# Altium PCB DD2088PoE_Daisy_Chain.PcbDoc (part 5 of 6) (continued)
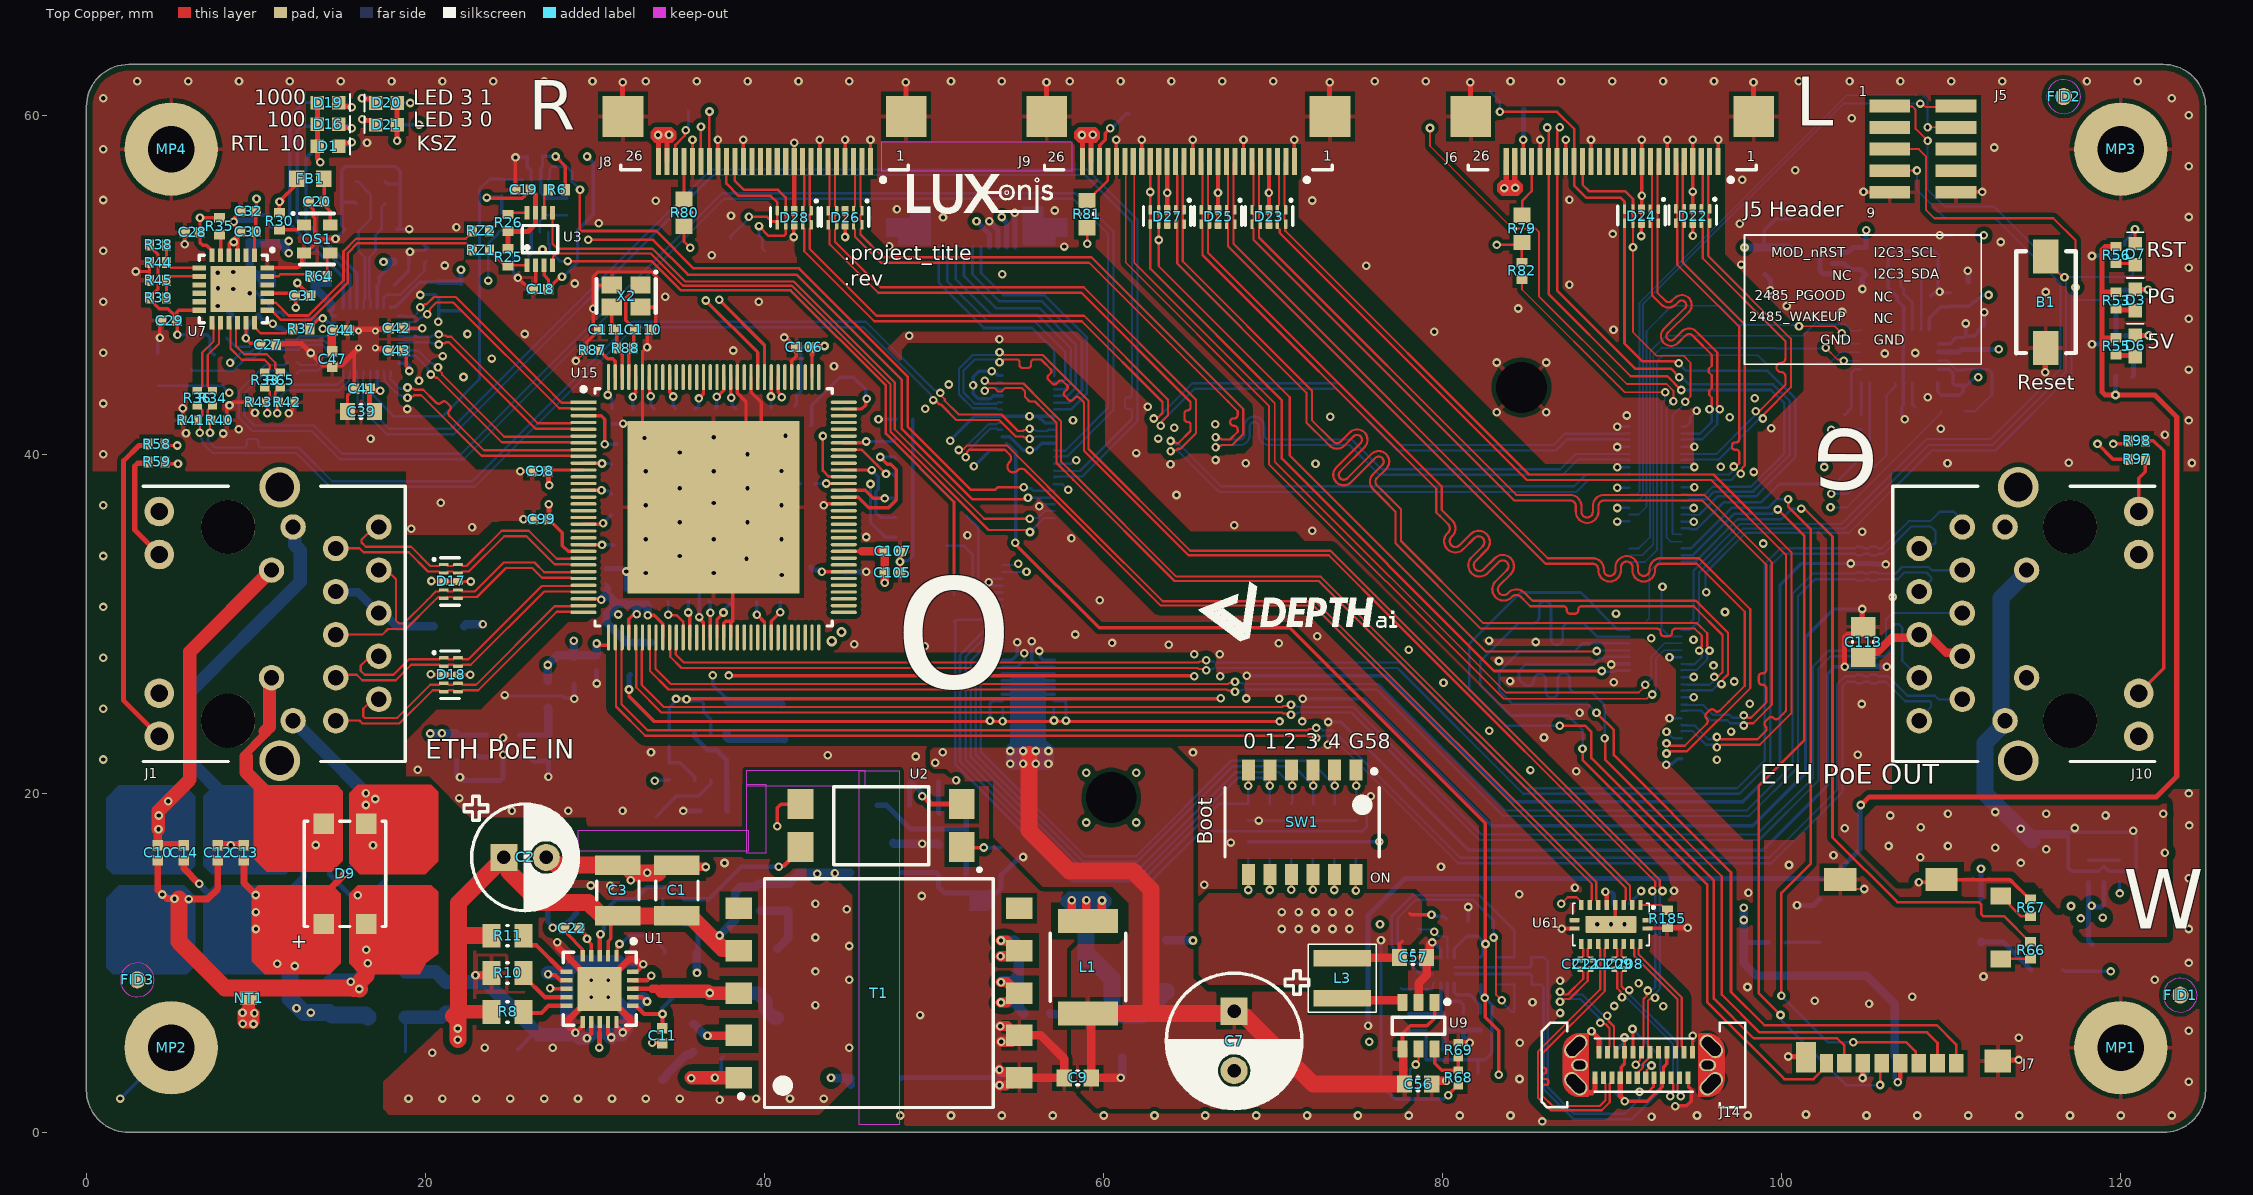
[diagram p0: Top Copper view]
## Nets (pads, with @x,y where several pads share a name; then routed paths per layer and width w, separated by ;. In a path a pad name is that pad's centre, name@x,y a point inside that pad or via, vN(x,y) a via of type N, cw(c..) or ccw(c..) an arc to the next point about the centre after c; other vN are vias at no path point) (continued)
SDS_TXD_P: J3.69 U4.13 | length 73.9
  Bottom Copper w0.13: U4.13@16.35,44.9 16.35,44.631 16.312,44.593 16.312,43.064 17.864,41.513 21.533,41.513 36.82,56.8 59.035,56.8 62,53.834 62,41.952 58.736,38.688 57.438,38.688 57.425,38.675 57.115,38.675 J3.69@57.09,38.65
SP1: C15.1 C16.1 D9.2 J1.13 | length 13.8
  Top Copper w0.5: 9.325,22.25 9.325,22.268 10.463,23.406 10.463,23.585 10.527,23.648
  Top Copper w0.762: 10.527,23.648 10.804,23.926 J1.13@10.804,26.71
  Top Copper w0.8: 9.418,22.157 9.418,21.24 11.406,19.253 13.331,19.253 13.8,18.784 13.8,18.4 D9.2@14,18.2
  Bottom Copper w0.3: C15.1@12.81,16.951 C16.1@14.35,16.951
  Bottom Copper w0.762: J1.13@10.804,26.71 J1.13@10.919,26.825
  other v1: 13.534,16.958
SP2: C17.1 C54.1 D9.3 J1.14 | length 11.1
  Bottom Copper w0.3: v1(16.487,19.314) 16.11,18.937 C54.1@16.11,16.963 C17.1@17.65,16.963
  Bottom Copper w0.762: J1.14@12.212,24.285 13.576,22.921 13.576,22.924 16.837,19.663 v1(16.487,19.314)
  other v1: 16.905,16.944 17.037,19.673 16.487,20.013
STROBE1: J6.24 TP23.1 | length 3.1
  Top Copper w0.2: J6.24@84.75,57.275 v1(84.75,58.55)
  Bottom Copper w0.3: v1(84.75,58.55) 84.766,58.566 84.766,60.334 TP23.1@84.782,60.35
STROBE2: J8.24 TP24.1 | length 3.4
  Top Copper w0.152: J8.24@34.75,57.275 34.738,57.287 34.738,58.247 35.293,58.802 35.293,59.056 v1(35.354,59.118)
  Bottom Copper w0.152: v1@35.286,59.186 v1(35.354,59.118) ; v1@35.324,59.087 v1(35.354,59.118) ; TP24.1@35.5,60.25 35.5,59.264 v1(35.354,59.118)
STROBE3: J9.24 TP31.1 | length 3.7
  Top Copper w0.2: J9.24@59.75,57.275 59.777,57.302 59.777,58.222 60.101,58.545 60.101,58.939 v1(60.396,59.234)
  Bottom Copper w0.2: v1(60.396,59.234) 60.48,59.234 61.323,60.078 TP31.1@61.473,60.078
SWO: D4.2 T1.3 U1.18 | length 10.9
  Top Copper w0.25: U1.18@32.223,8.475 33.301,8.475 33.347,8.429
  Top Copper w0.5: 33.39,8.473 33.672,8.473
  Top Copper w0.8: 33.934,8.341 36.659,8.341 v1(36.775,8.225) T1.3@38.473,8.225
  Bottom Copper w0.8: v1(36.775,8.225) 39.602,8.225 40.071,7.756 40.071,7.257 40.56,6.768 D4.2@40.75,6.768
SYS_RST: J3.89 J4.6 | length 15
  Bottom Copper w0.152: J4.6@52.767,52.231 52.767,50.702 54.084,49.384 56.523,49.384 59.016,46.89 59.016,43.599 58.068,42.65 J3.89@57.09,42.65
TCK: J3.97 J4.2 | length 13.1
  Bottom Copper w0.15: J4.2@50.766,52.231 50.766,50.223 53.14,47.85 55.929,47.85 57.738,46.041 57.738,44.406 57.582,44.25 J3.97@57.09,44.25
TDI: J3.95 J4.3 | length 13.6
  Bottom Copper w0.152: J4.3@51.267,52.231 51.267,50.348 53.39,48.225 56.094,48.225 58.071,46.248 58.071,44.197 57.724,43.85 J3.95@57.09,43.85
TDO: J3.91 J4.5 | length 14.5
  Bottom Copper w0.152: J4.5@52.267,52.231 52.267,50.608 53.837,49.038 56.337,49.038 58.725,46.65 58.725,43.781 57.994,43.05 J3.91@57.09,43.05
TMS: J3.99 J4.1 | length 12.1
  Bottom Copper w0.152: J4.1@50.267,52.231 50.267,50.125 52.941,47.45 55.769,47.45 57.09,46.129 J3.99@57.09,44.65
TRST: J3.93 J4.4 | length 14
  Bottom Copper w0.152: J4.4@51.767,52.231 51.767,50.508 53.65,48.625 56.207,48.625 58.346,46.486 58.346,43.921 57.875,43.45 J3.93@57.09,43.45
TXB1_N: C209.2 U61.16 | length 1
  Top Copper w0.13: C209.2@90.125,10.205 90.125,10.225 90.295,10.395 90.295,10.83 90.175,10.95 U61.16@90.175,11.125
TXB1_P: C208.2 U61.17 | length 1
  Top Copper w0.13: U61.17@90.675,11.125 90.675,10.95 90.555,10.83 90.555,10.395 90.725,10.225 C208.2@90.725,10.205
TXB_N: C209.1 J14.A3 | length 10.4
  Top Copper w0.13: C209.1@90.125,9.645 90.125,9.625 90.295,9.455 90.295,8.499 90.51,8.285 90.51,8.046 v1(90.578,7.978) ; v1(93.415,2.141) 93.415,2.16 93.592,2.337 93.592,2.387 93.595,2.39 93.595,2.699 93.595,2.875 93.475,2.995 J14.A3@93.475,3.22
  Bottom Copper w0.13: v1(90.578,7.978) 90.646,7.91 90.885,7.91 93.593,5.201 93.593,2.39 93.415,2.212 v1(93.415,2.141)
TXB_P: C208.1 J14.A2 | length 10.4
  Top Copper w0.13: C208.1@90.725,9.645 90.725,9.625 90.555,9.455 90.555,8.607 90.693,8.468 90.932,8.468 v1(91,8.4) ; J14.A2@93.975,3.22 93.975,2.995 93.855,2.875 93.855,2.713 93.852,2.71 93.852,2.593 93.852,2.339 94.034,2.158 v1(94.034,2.145)
  Bottom Copper w0.13: v1(91,8.4) 91.068,8.332 91.068,8.093 93.853,5.308 93.853,2.39 94.034,2.21 v1(94.034,2.145)
TXC1_N: C212.2 U61.12 | length 1
  Top Copper w0.13: C212.2@88.125,10.205 88.125,10.225 C212.2@88.22,10.32 ; U61.12@88.175,11.125 88.175,10.95 88.295,10.83 88.295,10.732 88.297,10.731 88.297,10.396 C212.2@88.22,10.32
TXC1_P: C211.2 U61.13 | length 1
  Top Copper w0.13: U61.13@88.675,11.125 88.675,10.95 88.555,10.83 88.555,10.732 88.554,10.731 88.554,10.396 88.63,10.32 88.725,10.225 C211.2@88.725,10.205
TXC_N: C212.1 J14.B3 | length 8.2
  Top Copper w0.13: v1(86.918,8.303) 87.015,8.303 87.183,8.135 87.367,8.135 88.295,9.063 88.295,9.455 88.125,9.625 C212.1@88.125,9.645 ; v1(89.715,6.885) 89.784,6.816 89.784,6.578 90.105,6.257 90.105,5.075 90.225,4.955 J14.B3@90.225,4.73
  Bottom Copper w0.13: v1(86.918,8.303) 86.932,8.303 87.1,8.135 88.227,8.135 89.409,6.953 89.647,6.953 v1(89.715,6.885)
TXC_P: C211.1 J14.B2 | length 8.2
  Top Copper w0.13: v1(86.918,7.707) 87.015,7.707 87.183,7.875 87.475,7.875 88.555,8.955 88.555,9.455 88.725,9.625 C211.1@88.725,9.645 ; v1(89.293,6.463) 89.362,6.394 89.6,6.394 89.845,6.149 89.845,5.075 89.725,4.955 J14.B2@89.725,4.73
  Bottom Copper w0.13: v1(86.918,7.707) 86.932,7.707 87.1,7.875 88.119,7.875 89.225,6.769 89.225,6.531 v1(89.293,6.463)
TXRX1A_N: U4.2 U15.2 | length 14.1
  Top Copper w0.13: v1(20.113,48.262) 20.113,48.364 20.262,48.513 20.262,48.587 20.635,48.96 21.646,48.96 27.891,42.715 28.596,42.715 28.634,42.677 U15.2@29.323,42.677
  Bottom Copper w0.13: U4.2@18.425,47.775 18.694,47.775 18.732,47.813 19.472,47.813 19.754,48.096 19.845,48.096 20.011,48.262 v1(20.113,48.262)
TXRX1A_P: U4.1 U15.1 | length 14.1
  Top Copper w0.13: v1(19.691,48.684) 19.794,48.684 19.957,48.847 20.063,48.847 20.501,49.285 21.781,49.285 26.853,44.212 26.968,44.097 28.026,43.039 28.545,43.039 28.547,43.042 29.287,43.042 U15.1@29.323,43.077
  Bottom Copper w0.13: U4.1@18.425,48.175 18.694,48.175 18.732,48.137 19.337,48.137 19.525,48.325 19.525,48.415 19.691,48.581 v1(19.691,48.684)
TXRX1B_N: U4.5 U15.5 | length 13.2
  Top Copper w0.13: v1(20.775,46.477) 20.847,46.549 21.139,46.549 21.203,46.613 21.392,46.613 26.49,41.515 28.596,41.515 28.634,41.477 U15.5@29.323,41.477
  Bottom Copper w0.13: U4.5@18.425,46.575 18.694,46.575 18.732,46.613 18.97,46.613 20.275,46.613 20.339,46.549 20.703,46.549 v1(20.775,46.477)
TXRX1B_P: U4.4 U15.4 | length 13.2
  Top Copper w0.13: v1(20.775,47.073) 20.847,47.001 21.206,47.001 21.27,46.937 21.527,46.937 26.625,41.839 28.596,41.839 28.634,41.877 U15.4@29.323,41.877
  Bottom Copper w0.13: U4.4@18.425,46.975 18.694,46.975 18.732,46.937 19.105,46.937 20.14,46.937 20.339,46.937 20.402,47.001 20.703,47.001 v1(20.775,47.073)
TXRX1C_N: U4.7 U15.7 | length 13.2
  Top Copper w0.13: v1(20.319,44.709) 20.422,44.709 20.61,44.521 20.7,44.521 24.506,40.715 28.596,40.715 28.634,40.677 U15.7@29.323,40.677
  Bottom Copper w0.13: U4.7@18.425,45.775 18.694,45.775 18.732,45.813 19.412,45.813 19.997,45.228 19.997,45.224 20.122,45.099 20.122,45.009 20.319,44.811 v1(20.319,44.709)
TXRX1C_P: U4.6 U15.6 | length 13.2
  Top Copper w0.13: v1(20.742,45.131) 20.742,45.028 20.983,44.787 20.983,44.697 24.64,41.039 28.596,41.039 28.634,41.077 U15.6@29.323,41.077
  Bottom Copper w0.13: U4.6@18.425,46.175 18.694,46.175 18.732,46.137 19.547,46.137 20.079,45.604 20.321,45.363 20.321,45.359 20.411,45.359 20.639,45.131 v1(20.742,45.131)
TXRX1D_N: U4.10 U15.9 | length 14.3
  Top Copper w0.13: v1(18.94,43.346) 19.012,43.418 19.267,43.418 19.331,43.482 19.743,43.482 23.31,39.915 28.596,39.915 28.634,39.877 U15.9@29.323,39.877
  Bottom Copper w0.13: U4.10@17.55,44.9 17.55,44.631 17.588,44.593 17.588,44.318 18.424,43.482 18.563,43.482 18.626,43.418 18.868,43.418 v1(18.94,43.346)
TXRX1D_P: U4.9 U15.8 | length 14.2
  Top Copper w0.13: v1(18.94,43.943) 18.991,43.892 19.264,43.892 19.35,43.806 19.878,43.806 20.592,43.092 20.638,43.046 ccw(c20.782,43.19) 20.926,43.046 20.952,43.072 cw(c21.096,42.927) 21.24,43.072 21.432,42.879 cw(c21.288,42.735) 21.432,42.591 21.407,42.566 ccw(c21.551,42.421) 21.407,42.277 21.938,41.746 23.445,40.239 28.596,40.239 28.634,40.277 U15.8@29.323,40.277
  Bottom Copper w0.13: U4.9@17.95,44.9 17.95,44.631 17.912,44.593 17.912,44.453 18.495,43.87 18.868,43.87 v1(18.94,43.943)
TXRX3A_N: D17.2 D17.9 J1.2 U15.25 | length 16.9
  Top Copper w0.13: J1.2@14.709,34.445 14.727,34.463 16.104,34.463 16.345,34.221 19.02,34.221 20.153,33.088 20.776,33.088 20.863,33 D17.2@21.083,33 21.229,33 21.316,33.088 21.611,33.088 21.698,33 22.1,33 22.188,33.088 22.56,33.088 24.638,35.166 25.962,35.166 27.614,33.515 28.596,33.515 28.634,33.477 U15.25@29.323,33.477
TXRX3A_P: D17.1 D17.10 J1.1 U15.24 | length 16.9
  Top Copper w0.13: J1.1@17.249,35.715 16.979,35.715 16.225,34.96 16.225,34.801 16.48,34.546 19.154,34.546 20.288,33.412 20.776,33.412 20.863,33.5 D17.1@21.083,33.5 21.229,33.5 21.316,33.412 21.611,33.412 21.698,33.5 22.1,33.5 22.188,33.412 22.426,33.412 24.504,35.491 26.097,35.491 27.748,33.839 28.596,33.839 28.634,33.877 U15.24@29.323,33.877
TXRX3B_N: D17.5 D17.6 J1.6 U15.27 | length 16.7
  Top Copper w0.13: J1.6@14.709,29.365 17.455,29.365 17.786,29.695 18.855,29.695 20.426,31.267 20.747,31.588 20.776,31.588 ; 20.785,31.588 20.776,31.588 ; U15.27@29.323,32.677 28.634,32.677 28.596,32.715 26.877,32.715 26.291,33.3 24.751,33.3 23.039,31.588 22.188,31.588 22.1,31.5 D17.6@21.917,31.5 21.698,31.5 21.611,31.588 21.316,31.588 21.229,31.5 D17.5@21.083,31.5 20.863,31.5 20.776,31.588
TXRX3B_P: D17.4 D17.7 J1.3 U15.26 | length 16.7
  Top Copper w0.13: J1.3@17.249,33.175 17.511,32.913 17.986,32.913 18.254,32.645 18.254,30.216 18.449,30.02 18.72,30.02 20.101,31.401 20.612,31.912 20.776,31.912 ; 20.785,31.912 20.776,31.912 ; U15.26@29.323,33.077 28.634,33.077 28.596,33.039 27.011,33.039 26.426,33.625 24.617,33.625 22.904,31.912 22.188,31.912 22.1,32 D17.7@21.917,32 21.698,32 21.611,31.912 21.316,31.912 21.229,32 D17.4@21.083,32 20.863,32 20.776,31.912
TXRX3C_N: D18.2 D18.9 J1.8 U15.29 | length 17.2
  Top Copper w0.13: J1.8@14.709,26.825 14.881,26.997 15.95,26.997 16.275,26.672 18.243,26.672 19.159,27.588 20.812,27.588 20.9,27.5 D18.2@21.083,27.5 21.265,27.5 21.353,27.588 21.647,27.588 21.735,27.5 D18.9@21.917,27.5 22.1,27.5 22.188,27.588 22.672,27.588 26.999,31.915 28.596,31.915 28.634,31.877 U15.29@29.323,31.877
TXRX3C_P: D18.1 D18.10 J1.7 U15.28 | length 17.2
  Top Copper w0.13: J1.7@17.249,28.095 16.987,27.833 16.469,27.833 16.182,27.546 16.182,27.224 16.41,26.996 18.109,26.996 19.025,27.912 20.812,27.912 20.9,28 D18.1@21.083,28 21.265,28 21.353,27.912 21.647,27.912 21.735,28 D18.10@21.917,28 22.1,28 22.188,27.912 22.537,27.912 26.864,32.239 28.596,32.239 28.634,32.277 U15.28@29.323,32.277
TXRX3D_N: D18.5 D18.6 J1.10 U15.32 | length 17.6
  Top Copper w0.13: J1.10@14.709,24.285 14.727,24.303 16.104,24.303 16.275,24.132 18.465,24.132 20.422,26.088 20.812,26.088 20.9,26 D18.5@21.083,26 21.265,26 21.353,26.088 21.647,26.088 21.735,26 D18.6@21.917,26 22.1,26 22.188,26.088 23.122,26.088 27.749,30.715 28.596,30.715 28.634,30.677 U15.32@29.323,30.677
TXRX3D_P: D18.4 D18.7 J1.9 U15.31 | length 17.5
  Top Copper w0.13: J1.9@17.249,25.555 16.89,25.555 16.334,24.998 16.334,24.532 16.41,24.456 18.331,24.456 20.287,26.412 20.812,26.412 20.9,26.5 21.265,26.5 21.353,26.412 21.647,26.412 21.735,26.5 22.1,26.5 22.188,26.412 22.987,26.412 27.614,31.039 28.596,31.039 28.634,31.077 U15.31@29.323,31.077
TXRX4A_N: D30.2 D30.9 J10.2 U15.35 | length 95.7
  Top Copper w0.13: U15.35@31.598,29.201 31.598,28.513 31.56,28.475 31.56,25.266 33.1,23.727 72.042,23.727 72.106,23.791 72.478,23.791 v1(72.55,23.863)
  Bottom Copper w0.13: v1(72.55,23.863) 72.622,23.791 72.867,23.791 72.931,23.727 73.527,23.727 81.054,16.2 99.258,16.2 103.25,20.192 103.25,26.434 103.728,26.912 104.312,26.912 104.4,27 D30.2@104.583,27 104.765,27 104.853,26.912 105.147,26.912 105.235,27 D30.9@105.418,27 105.6,27 105.688,26.912 106.272,26.912 107.422,25.763 109.03,25.763 109.255,25.538 110.633,25.538 J10.2@110.65,25.555
TXRX4A_P: D30.1 D30.10 J10.1 U15.34 | length 95.7
  Top Copper w0.13: U15.34@31.198,29.201 31.198,28.513 31.236,28.475 31.236,25.132 32.965,23.402 72.042,23.402 72.106,23.338 72.478,23.338 v1(72.55,23.266)
  Bottom Copper w0.13: v1(72.55,23.266) 72.622,23.338 72.853,23.338 72.917,23.402 73.393,23.402 80.92,15.875 99.392,15.875 103.575,20.058 103.575,26.3 103.863,26.588 104.312,26.588 104.4,26.5 D30.1@104.583,26.5 104.765,26.5 104.853,26.588 105.147,26.588 105.235,26.5 D30.10@105.418,26.5 105.6,26.5 105.688,26.588 106.137,26.588 107.287,25.438 108.735,25.438 108.811,25.362 108.811,25.103 108.11,24.402 J10.1@108.11,24.285
TXRX4B_N: D30.5 D30.6 J10.6 U15.38 | length 94.9
  Top Copper w0.13: U15.38@32.798,29.201 32.798,28.513 32.76,28.475 32.76,26.39 34.05,25.1 70.542,25.1 70.606,25.164 70.978,25.164 v1(71.05,25.236)
  Bottom Copper w0.13: v1(71.05,25.236) 71.122,25.164 71.364,25.164 71.428,25.1 74.762,25.1 82.287,17.575 98.52,17.575 101.85,20.905 101.85,27.5 102.762,28.412 104.312,28.412 104.4,28.5 D30.5@104.583,28.5 104.765,28.5 104.853,28.412 105.147,28.412 105.235,28.5 D30.6@105.418,28.5 105.6,28.5 105.688,28.412 105.919,28.412 106.14,28.634 106.14,30.257 106.524,30.641 110.644,30.641 J10.6@110.65,30.635
TXRX4B_P: D30.4 D30.7 J10.3 U15.37 | length 95
  Top Copper w0.13: U15.37@32.398,29.201 32.398,28.513 32.436,28.475 32.436,26.255 33.915,24.775 70.542,24.775 70.606,24.711 70.978,24.711 v1(71.05,24.639)
  Bottom Copper w0.13: v1(71.05,24.639) 71.122,24.711 71.393,24.711 71.457,24.775 74.627,24.775 82.152,17.25 98.655,17.25 102.175,20.77 102.175,27.365 102.897,28.088 104.312,28.088 104.4,28 D30.4@104.583,28 104.765,28 104.853,28.088 105.147,28.088 105.235,28 D30.7@105.418,28 105.6,28 105.688,28.088 106.053,28.088 106.465,28.499 106.465,29.806 106.639,29.98 106.91,29.98 107.106,29.784 107.106,27.829 J10.3@108.11,26.825
TXRX4C_N: D31.2 D31.9 J10.8 U15.40 | length 94.6
  Top Copper w0.13: U15.40@33.598,29.201 33.598,28.513 33.56,28.475 33.56,27.365 34.475,26.45 67.344,26.45 67.408,26.514 67.678,26.514 v1(67.75,26.586)
  Bottom Copper w0.13: v1(67.75,26.586) 67.822,26.514 68.187,26.514 68.251,26.45 76.237,26.45 83.687,19 97.95,19 100.639,21.689 100.639,31.774 101.828,32.962 104.312,32.962 104.4,33.05 D31.2@104.583,33.05 104.765,33.05 104.853,32.962 105.147,32.962 105.235,33.05 D31.9@105.418,33.05 105.6,33.05 105.688,32.962 106.711,32.962 107.098,33.349 108.67,33.349 108.861,33.158 110.633,33.158 J10.8@110.65,33.175
TXRX4C_P: D31.1 D31.10 J10.7 U15.39 | length 94.5
  Top Copper w0.13: U15.39@33.198,29.201 33.198,28.513 33.236,28.475 33.236,27.23 34.34,26.125 67.261,26.125 67.325,26.061 67.678,26.061 v1(67.75,25.989)
  Bottom Copper w0.13: v1(67.75,25.989) 67.822,26.061 68.155,26.061 68.218,26.125 76.102,26.125 83.552,18.675 98.085,18.675 100.964,21.555 100.964,31.639 101.963,32.638 104.312,32.638 104.4,32.55 D31.1@104.583,32.55 104.765,32.55 104.853,32.638 105.147,32.638 105.235,32.55 D31.10@105.418,32.55 105.6,32.55 105.688,32.638 106.846,32.638 107.233,33.024 108.535,33.024 108.833,32.727 108.833,32.619 108.119,31.905 J10.7@108.11,31.905
TXRX4D_N: D31.5 D31.6 J10.10 U15.43 | length 94.6
  Top Copper w0.13: U15.43@34.798,29.201 34.798,28.513 34.76,28.475 34.76,28.192 35.23,27.722 65.613,27.722 65.676,27.786 65.978,27.786 v1(66.05,27.858)
  Bottom Copper w0.13: v1(66.05,27.858) 66.122,27.786 66.494,27.786 66.558,27.722 77.465,27.722 84.882,20.305 97.367,20.305 99,21.937 99,33.543 99.92,34.462 104.312,34.462 104.4,34.55 D31.5@104.583,34.55 104.765,34.55 104.853,34.462 105.147,34.462 105.235,34.55 D31.6@105.418,34.55 105.6,34.55 105.688,34.462 105.895,34.462 107.492,36.059 108.35,36.059 108.759,36.059 109.314,36.614 110.147,36.614 110.31,36.451 110.31,36.426 110.65,36.086 J10.10@110.65,35.715
TXRX4D_P: D31.4 D31.7 J10.9 U15.42 | length 94.6
  Top Copper w0.13: U15.42@34.398,29.201 34.398,28.513 34.436,28.475 34.436,28.057 35.096,27.397 65.545,27.397 65.609,27.334 65.978,27.334 v1(66.05,27.261)
  Bottom Copper w0.13: v1(66.05,27.261) 66.122,27.334 66.425,27.334 66.488,27.397 77.33,27.397 84.747,19.98 97.502,19.98 99.325,21.803 99.325,33.408 100.054,34.138 104.312,34.138 104.4,34.05 D31.4@104.583,34.05 104.765,34.05 104.853,34.138 105.147,34.138 105.235,34.05 D31.7@105.418,34.05 105.6,34.05 105.688,34.138 106.03,34.138 107.627,35.735 108.215,35.735 108.807,35.735 109.069,35.472 109.069,34.803 108.949,34.683 108.348,34.683 J10.9@108.11,34.445
USB_CM: R31.1 U62.3 | length 2.9
  Bottom Copper w0.2: U62.3@80.674,8.8 80.674,8.276 80.825,8.125 81.613,8.125 82.225,7.513 R31.1@82.225,7.025
USB_D_N: J3.90 J14.A7 J14.B7 | length 73.3
  Top Copper w0.13: v1(53.86,46.027) 53.957,46.027 54.125,45.858 56.41,45.858 58.609,43.659 58.793,43.475 59.103,43.165 59.103,40.32 65.112,34.311 73.382,34.311 77.309,30.384 92.8,14.893 92.8,14.509 92.968,14.341 v1(92.968,14.244) ; J14.A7@91.475,3.22 91.56,3.305 91.56,3.58 91.805,3.826 91.805,4.036 92.14,4.37 J14.B7@92.14,4.73 ; J14.B7@92.225,4.73 92.225,4.955 92.105,5.075 92.105,7.768 92.218,7.882 92.457,7.882 v1(92.525,7.95)
  Bottom Copper w0.13: v1(53.86,46.027) 53.763,46.027 53.595,45.858 52.283,45.858 51.47,45.045 51.47,43.535 52.285,42.72 53.68,42.72 53.75,42.65 J3.90@54.01,42.65 ; v1(92.525,7.95) 92.593,8.018 92.593,8.257 92.8,8.463 92.8,13.979 92.968,14.148 v1(92.968,14.244)
USB_D_P: J3.92 J14.A6 J14.B6 | length 75.1
  Top Copper w0.13: v1(53.86,45.43) 53.957,45.43 54.125,45.598 54.87,45.598 cw(c54.87,45.428) 55.04,45.428 55.04,45.268 ccw(c55.21,45.268) 55.21,45.098 55.55,45.098 ccw(c55.55,45.268) 55.72,45.268 55.72,45.428 cw(c55.89,45.428) 55.89,45.598 56.2,45.598 56.302,45.598 56.347,45.553 56.393,45.507 56.874,45.026 cw(c56.754,44.906) 56.874,44.786 56.74,44.651 ccw(c56.86,44.531) 56.74,44.411 56.98,44.17 ccw(c57.1,44.29) 57.22,44.17 57.357,44.307 cw(c57.477,44.187) 57.597,44.307 57.838,44.066 cw(c57.718,43.946) 57.838,43.826 57.701,43.689 ccw(c57.821,43.569) 57.701,43.449 57.942,43.209 ccw(c58.062,43.329) 58.182,43.209 58.317,43.343 cw(c58.437,43.223) 58.557,43.343 58.774,43.126 58.82,43.08 58.843,43.057 58.843,40.212 65.005,34.051 73.274,34.051 77.217,30.108 92.54,14.785 92.54,14.509 92.371,14.341 v1(92.371,14.244) ; v1(91.385,4) 91.385,4.01 91.64,4.265 91.64,4.645 J14.B6@91.725,4.73 91.725,4.955 91.845,5.075 91.845,7.876 92.035,8.065 92.035,8.304 v1(92.103,8.372) ; J14.A6@91.975,3.22 92.031,3.277 92.031,3.667 v1(92.315,3.951)
  Bottom Copper w0.13: v1(53.86,45.43) 53.763,45.43 53.595,45.598 52.391,45.598 51.73,44.937 51.73,43.642 52.393,42.98 53.68,42.98 53.75,43.05 J3.92@54.01,43.05 ; v1(91.385,4) 91.409,3.975 92.291,3.975 v1(92.315,3.951) ; v1(92.103,8.372) 92.171,8.44 92.41,8.44 92.54,8.57 92.54,13.979 92.371,14.148 v1(92.371,14.244)
USB_PORT: R32.1 U62.4 | length 2.5
  Bottom Copper w0.2: U62.4@80.274,8.8 80.274,7.856 80.392,7.739 81.011,7.739 81.225,7.525 R32.1@81.225,7.025
USB_RX_N: J3.96 U61.4 | length 54
  Top Copper w0.13: v1(52.985,43.752) 53.082,43.752 53.25,43.92 53.554,43.92 53.759,43.714 53.988,43.714 54.193,43.92 55.161,43.92 55.36,43.721 55.36,43.39 55.628,43.122 55.959,43.122 56.416,42.665 57.219,41.862 57.219,39.489 58.206,38.502 64.183,32.526 72.695,32.526 90.795,14.426 90.795,13.72 90.675,13.6 U61.4@90.675,13.425
  Bottom Copper w0.13: v1(52.985,43.752) 53.082,43.752 53.25,43.92 53.68,43.92 53.75,43.85 J3.96@54.01,43.85
USB_RX_P: J3.98 U61.3 | length 54.1
  Top Copper w0.13: v1(52.985,44.348) 53.082,44.348 53.25,44.18 55.269,44.18 56.416,43.032 57.479,41.969 57.479,39.597 58.206,38.87 64.291,32.786 72.803,32.786 91.055,14.534 91.055,13.72 91.175,13.6 U61.3@91.175,13.425
  Bottom Copper w0.13: v1(52.985,44.348) 53.082,44.348 53.25,44.18 53.68,44.18 53.75,44.25 J3.98@54.01,44.25
USB_TX_N: J3.84 U61.8 | length 53
  Top Copper w0.13: v1(51.869,39.831) 51.937,39.899 51.937,40.137 52.067,40.267 53.878,40.267 54.183,40.267 54.437,40.013 cw(c54.196,39.773) 54.437,39.533 54.422,39.518 ccw(c54.663,39.278) 54.422,39.038 ccw(c54.663,39.278) 54.903,39.038 54.917,39.052 cw(c55.158,38.811) 55.398,39.052 55.732,38.718 55.778,38.672 63.374,31.076 72.382,31.076 88.795,14.663 88.795,13.72 88.675,13.6 U61.8@88.675,13.425
  Bottom Copper w0.13: v1(51.869,39.831) 51.937,39.899 51.937,40.137 53.32,41.52 53.68,41.52 53.75,41.45 J3.84@54.01,41.45
USB_TX_P: J3.86 U61.7 | length 53
  Top Copper w0.13: v1(51.447,40.253) 51.515,40.321 51.754,40.321 51.96,40.527 54.29,40.527 59.043,35.775 63.482,31.336 72.49,31.336 89.055,14.771 89.055,13.72 89.175,13.6 U61.7@89.175,13.425
  Bottom Copper w0.13: v1(51.447,40.253) 51.515,40.321 51.754,40.321 53.212,41.78 53.68,41.78 53.75,41.85 J3.86@54.01,41.85
VBUS: C73.2 C76.2 C207.2 J3.80 J14.A4 J14.A9 J14.B4 J14.B9 R183.2 R187.1 R190.1 R213.2 R214.2 TP40.1 U62.12 | length 90.5
  Top Copper w0.2: v1(54.793,34.784) 54.793,34.703 59.735,29.761 70.989,29.761 82.5,18.25 v1@82.5,7.96 ; v1(82.476,7.936) v1@82.5,7.96 ; v1(83.3,3.4) 83.3,6 82.5,6.8 v1@82.5,7.96 ; J14.A9@90.475,3.22 90.525,3.27 90.525,3.855 90.725,4.055 J14.B4@90.725,4.73 v1(90.725,5.605) ; v1(90.731,1.844) 92.078,1.844 92.94,2.706 92.94,3.186 93.025,3.27 93.025,3.855 93.225,4.055 J14.B9@93.225,4.73
  Top Copper w0.3: J14.A9@90.475,3.22 90.475,2.156 90.731,1.9 v1(90.731,1.844)
  Signal Layer 2 w0.2: v1@82.575,11.126 v1@82.6,11.101
  Signal Layer 2 w0.5: v1@90.725,1.852 90.731,1.846 v1(90.731,1.844)
  Signal Layer 3 w0.2: v1(83.3,3.4) 85.225,1.475 90.317,1.475 90.685,1.844 v1(90.731,1.844)
  Bottom Copper w0.2: J3.80@54.26,40.64 54.358,40.542 54.444,40.542 54.829,40.156 54.829,34.82 v1(54.793,34.784) ; R190.1@78,6 R187.1@79,6 79.025,5.975 R183.2@79.025,4.925 79.012,4.912 79.012,4.3 82.135,4.3 ; U62.12@80.674,10.3 80.674,10.824 81.425,11.575 82.069,11.575 v1(82.526,11.118) 82.526,11.035 82.4,10.909 82.4,10.5 R213.2@82.225,10.325 ; TP40.1@82.085,3.5 82.085,4.25 82.135,4.3 ; R214.2@82.25,8.725 82.25,8.195 v1@82.476,7.969 ; v1(82.476,7.936) v1@82.476,7.969 ; C207.2@90.181,2.341 90.679,1.844 v1(90.731,1.844) v1@90.738,1.85 ; C73.2@90.229,4.825 90.684,5.28 90.684,5.564 v1(90.725,5.605) ; 82.135,4.3 82.5,4.3 82.9,4.7 82.9,7.545 v1@82.476,7.969
VBUS_DET: C61.2 R187.2 R190.2 U62.5 | length 4
  Bottom Copper w0.2: R190.2@78,7 R187.2@79,7 C61.2@80.1,7 ; U62.5@79.874,8.8 79.874,7.226 C61.2@80.1,7 ; C61.2@80.125,6.975 C61.2@80.1,7
VDD: C22.2 R12.2 TP11.1 U1.5 | length 6.3
  Top Copper w0.203: v1(27.513,12.08) 27.552,12.041 27.591,12.08 28.134,12.08 28.382,11.832 28.382,11.681 29.25,10.814 29.25,10.448 U1.5@29.273,10.425
  Bottom Copper w0.3: TP11.1@27.078,13.315 27.212,13.181 27.212,12.437 27.513,12.136 v1(27.513,12.08) 27.553,12.12 28.118,12.12 R12.2@28.758,12.76 ; R12.2@28.758,12.76 28.758,12.81 R12.2@28.923,12.975 28.923,12.925 R12.2@28.758,12.76
VNEG: C8.1 FB3.2 R10.1 TP13.1 U1.7 U1.11 U1.12 U1.14 U1.15 U1.17 U1.20 U1.21 | length 51.6
  Top Copper w0.25: v1(27.231,9.338) 27.281,9.288 27.645,9.288 27.958,8.975 U1.7@28.323,8.975 ; v1(28.846,5.89) 28.921,5.966 28.939,5.966 29.273,6.3 U1.11@29.273,6.525 ; v1(29.525,5.56) 29.525,5.578 29.773,5.826 U1.12@29.773,6.525 ; U1.14@30.773,6.525 30.773,5.777 v1(30.95,5.6) ; U1.15@31.273,6.525 31.273,6.3 31.645,5.928 v1(31.645,5.9) ; U1.17@32.223,7.975 32.772,7.975 33.022,7.725 v1(33.066,7.725) ; U1.20@32.223,9.475 32.448,9.475 32.848,9.875 v1(32.848,9.914)
  Top Copper w0.4: v1(27.781,11.229) 27.802,11.209 27.802,10.946 U1.21@30.273,8.475 ; v1(28.846,5.89) 28.846,5.919 28.389,6.376 28.389,6.591 U1.21@30.273,8.475 ; v1@31.645,5.929 32.081,6.365 32.081,6.667 v2(30.773,7.975) U1.21@30.273,8.475 ; v1(32.848,9.914) 32.827,9.935 32.649,9.935 32.356,10.227 32.025,10.227 v2(30.773,8.975) U1.21@30.273,8.475
  Top Copper w0.5: v1(22.949,9.279) 22.95,9.28 23.761,9.28 R10.1@23.889,9.409
  Bottom Copper w0.25: TP13.1@25.45,4.9 26.323,5.773 26.676,5.773
  Bottom Copper w0.5: 31.398,10.075 31.559,9.914 v1(32.848,9.914)
  Bottom Copper w0.8: FB3.2@18.796,9.475 20.6,9.475 21.2,8.875 C8.1@21.35,8.875 23.574,8.875 26.676,5.773 28.324,5.773 ; v1@27.225,9.423 28.324,9.423 ; v1@28.846,5.773 28.324,5.773 ; 29.058,5.56 v1(29.525,5.56) 29.926,5.961 30.589,5.961 v1(30.95,5.6) ; v2(30.773,7.975) 31.029,7.975 31.873,7.131 ; v1@30.95,5.773 v1@31.615,5.773 ; 31.398,10.075 28.975,10.075 28.324,9.423 ; v1(31.645,5.9) 31.873,6.128 31.873,7.131 ; 32.848,7.899 32.549,7.6 32.342,7.6 31.873,7.131 ; 28.324,5.773 28.324,9.423
  other v1: 37.348,1.932 19,2 21,2 23,2 25,2 27,2 29,2 31,2 33,2 35,2 39.5,2 41.5,2 43.5,2 20.4,4.7 23.5,5 27.5,5 45,5 43,7.5 45,9 43,9.5 45,11 43,11.5 44.85,13.175 43,13.5 29.748,14.566 30.888,14.554 37.639,15.898
  other v2: 29.773,7.975 29.773,8.975